# Altium PCB Archimajor.PcbDoc (part 2 of 12)
Units mm, origin at the board's own origin, x right, y up, seen from the top; angles counter-clockwise.
Board outline 190 x 140 mm, 6 copper layers (Top Layer, Top GND, Power Plane, Mid1, Bot GND, Bottom Layer), stack 1.776 mm thick; 842 components, 658 nets, 2620 pads, 2775 vias.
Unrouted connection lines stored in the file: 128.
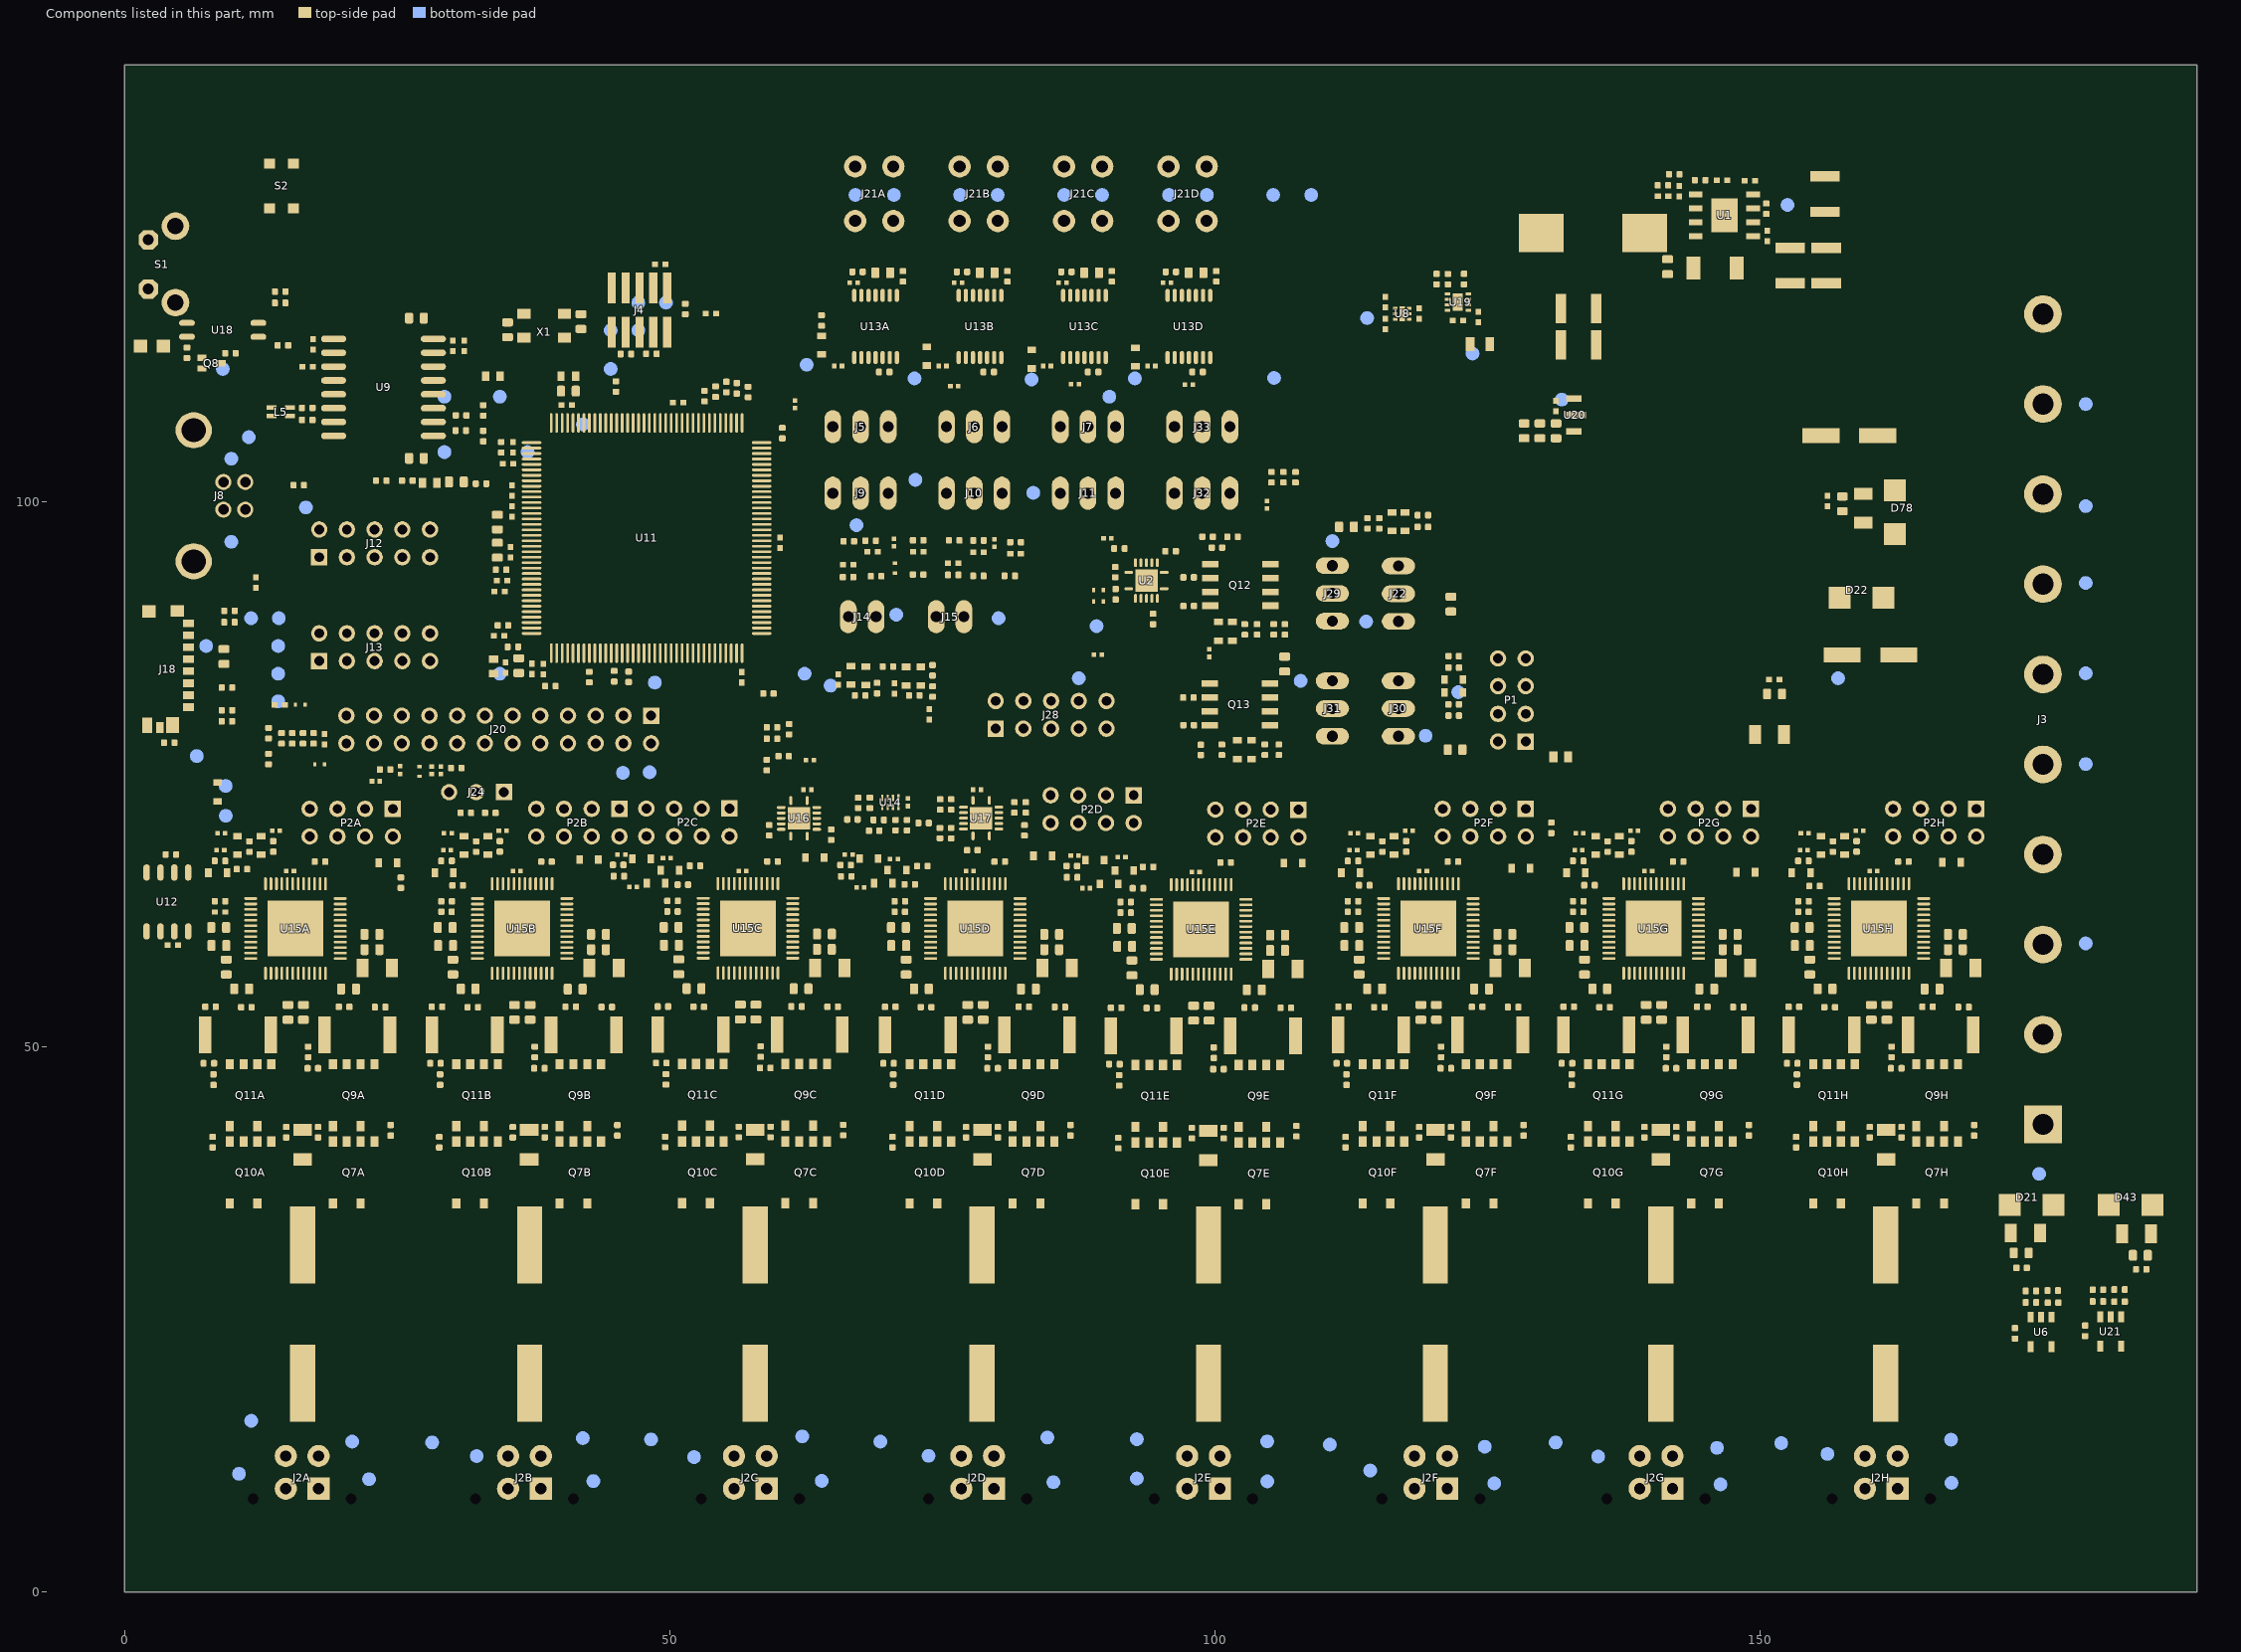
[diagram p6: the components of this part, seen from the top]

## Components (designator, comment, footprint, x,y, rotation, side; value= is the part's Value field where it differs from the comment) (continued)
R116E "47R" R0402 103.175,53.583 r180 top (schematic designator R116)
R116F "47R" R0402 124.017,53.658 r180 top (schematic designator R116)
R116G "47R" R0402 144.667,53.658 r180 top (schematic designator R116)
R116H "47R" R0402 165.318,53.658 r180 top (schematic designator R116)
R119 "10K" R0402 121.335,120.384 r270 top
R120 "100R" R0402 54.204,110.058 r90 top
R133 "100R" R0402 57.175,110.033 r270 top
R134 "100R" R0402 25.933,101.893 r0 top
R135 "100R" R0402 42.622,83.886 r90 top
R136 "100R" R0402 23.546,101.893 r180 top
R137 "100R" R0402 34.519,93.726 r0 top
R138 "100R" R0402 14.402,78.271 r90 top
R139 "100R" R0402 17.348,78.271 r270 top
R140 "100R" R0402 34.697,88.634 r180 top
R141 "100R" R0402 16.366,78.271 r270 top
R142 "100R" R0402 44.902,83.966 r270 top
R143 "100R" R0402 15.384,78.271 r270 top
R144 "100R" R0402 60.318,106.259 r90 top
R145 "100R" R0402 13.212,78.751 r270 top
R148 "0.01R" R0805 124.27,114.416 r180 top
R149 "100R" R0402 13.212,76.376 r270 top
R150 "6.8K" R0402 9.717,113.58 r0 top
R151 "6.8K" R0402 5.732,113.622 r270 top
R152 "4.9k" R0402 14.532,114.304 r180 top
R153 "100R" R0402 23.897,75.411 r180 top
R154 "24K" R0402 180.937,27.707 r0 top
R155 "10K" R0402 180.937,26.64 r180 top
R156 "1M" R0402 179.768,23.947 r90 top
R157 "130k" R0402 182.918,27.732 r180 top
R158 "100K" R0402 182.918,26.614 r0 top
R159 "100R" R0402 46.222,83.911 r90 top
R160 "100R" R0402 30.422,75.55 r180 top
R161 "100R" R0402 39.047,83.061 r0 top
R162A "0.05R" R2512 21.336,51.075 r180 top (schematic designator R162)
R162B "0.05R" R2512 42.111,51.075 r180 top (schematic designator R162)
R162C "0.05R" R2512 62.819,51.1 r180 top (schematic designator R162)
R162D "0.05R" R2512 83.661,51.075 r180 top (schematic designator R162)
R162E "0.05R" R2512 104.369,51 r180 top (schematic designator R162)
R162F "0.05R" R2512 125.211,51.075 r180 top (schematic designator R162)
R162G "0.05R" R2512 145.861,51.075 r180 top (schematic designator R162)
R162H "0.05R" R2512 166.511,51.075 r180 top (schematic designator R162)
R163A "47R" R0402 23.442,53.633 r0 top (schematic designator R163)
R163B "47R" R0402 44.217,53.633 r0 top (schematic designator R163)
R163C "47R" R0402 64.924,53.657 r0 top (schematic designator R163)
R163D "47R" R0402 85.767,53.633 r0 top (schematic designator R163)
R163E "47R" R0402 106.474,53.557 r0 top (schematic designator R163)
R163F "47R" R0402 127.317,53.633 r0 top (schematic designator R163)
R163G "47R" R0402 147.967,53.633 r0 top (schematic designator R163)
R163H "47R" R0402 168.617,53.633 r0 top (schematic designator R163)
R164A "10R" R0402 14.834,42.152 r270 top (schematic designator R164)
R164B "10R" R0402 35.609,42.152 r270 top (schematic designator R164)
R164C "10R" R0402 56.316,42.176 r270 top (schematic designator R164)
R164D "10R" R0402 77.159,42.152 r270 top (schematic designator R164)
R164E "10R" R0402 97.866,42.076 r270 top (schematic designator R164)
R164F "10R" R0402 118.709,42.152 r270 top (schematic designator R164)
R164G "10R" R0402 139.359,42.152 r270 top (schematic designator R164)
R164H "10R" R0402 160.009,42.152 r270 top (schematic designator R164)
R165A "10R" R0402 8.085,41.238 r90 top (schematic designator R165)
R165B "10R" R0402 28.86,41.238 r90 top (schematic designator R165)
R165C "10R" R0402 49.568,41.262 r90 top (schematic designator R165)
R165D "10R" R0402 70.41,41.238 r90 top (schematic designator R165)
R165E "10R" R0402 91.118,41.162 r90 top (schematic designator R165)
R165F "10R" R0402 111.96,41.238 r90 top (schematic designator R165)
R165G "10R" R0402 132.611,41.238 r90 top (schematic designator R165)
R165H "10R" R0402 153.261,41.238 r90 top (schematic designator R165)
R166A "10R" R0402 8.162,46.975 r90 top (schematic designator R166)
R166B "10R" R0402 28.937,46.975 r90 top (schematic designator R166)
R166C "10R" R0402 49.645,47 r90 top (schematic designator R166)
R166D "10R" R0402 70.487,46.975 r90 top (schematic designator R166)
R166E "10R" R0402 91.195,46.9 r90 top (schematic designator R166)
R166F "10R" R0402 112.037,46.975 r90 top (schematic designator R166)
R166G "10R" R0402 132.688,46.975 r90 top (schematic designator R166)
R166H "10R" R0402 153.338,46.975 r90 top (schematic designator R166)
R167A "10R" R0402 7.737,48.475 r180 top (schematic designator R167)
R167B "10R" R0402 28.512,48.475 r180 top (schematic designator R167)
R167C "10R" R0402 49.22,48.5 r180 top (schematic designator R167)
R167D "10R" R0402 70.062,48.475 r180 top (schematic designator R167)
R167E "10R" R0402 90.77,48.4 r180 top (schematic designator R167)
R167F "10R" R0402 111.612,48.475 r180 top (schematic designator R167)
R167G "10R" R0402 132.263,48.475 r180 top (schematic designator R167)
R167H "10R" R0402 152.913,48.475 r180 top (schematic designator R167)
R168A "47R" R0402 11.167,53.625 r0 top (schematic designator R168)
R168B "47R" R0402 31.942,53.625 r0 top (schematic designator R168)
R168C "47R" R0402 52.65,53.65 r0 top (schematic designator R168)
R168D "47R" R0402 73.492,53.625 r0 top (schematic designator R168)
R168E "47R" R0402 94.2,53.55 r0 top (schematic designator R168)
R168F "47R" R0402 115.042,53.625 r0 top (schematic designator R168)
R168G "47R" R0402 135.693,53.625 r0 top (schematic designator R168)
R168H "47R" R0402 156.343,53.625 r0 top (schematic designator R168)
R169A "0.05R" R2512 10.412,51.075 r0 top (schematic designator R169)
R169B "0.05R" R2512 31.187,51.075 r0 top (schematic designator R169)
R169C "0.05R" R2512 51.895,51.1 r0 top (schematic designator R169)
R169D "0.05R" R2512 72.737,51.075 r0 top (schematic designator R169)
R169E "0.05R" R2512 93.445,51 r0 top (schematic designator R169)
R169F "0.05R" R2512 114.287,51.075 r0 top (schematic designator R169)
R169G "0.05R" R2512 134.938,51.075 r0 top (schematic designator R169)
R169H "0.05R" R2512 155.588,51.075 r0 top (schematic designator R169)
R170A "47R" R0402 7.887,53.65 r180 top (schematic designator R170)
R170B "47R" R0402 28.662,53.65 r180 top (schematic designator R170)
R170C "47R" R0402 49.37,53.675 r180 top (schematic designator R170)
R170D "47R" R0402 70.212,53.65 r180 top (schematic designator R170)
R170E "47R" R0402 90.92,53.575 r180 top (schematic designator R170)
R170F "47R" R0402 111.762,53.65 r180 top (schematic designator R170)
R170G "47R" R0402 132.413,53.65 r180 top (schematic designator R170)
R170H "47R" R0402 153.063,53.65 r180 top (schematic designator R170)
R171 "10K" R0402 94.303,89.209 r270 top
R172 "1.8K" R0402 106.393,88.259 r270 top
R173 "1.8K" R0402 119.043,98.734 r180 top
R174 "1K" R0402 102.718,88.256 r270 top
R175 "1K" R0402 105.368,88.259 r90 top
R176 "1K" R0402 115.043,97.984 r270 top
R177 "1K" R0402 119.043,97.659 r0 top
R180 "100R" R0402 97.543,82.009 r0 top
R181 "100R" R0402 97.568,79.48 r0 top
R182 "10K" R0402 95.918,95.434 r0 top
R183 "10K" R0402 91.223,95.68 r180 top
R184 "1.8K" R0402 105.831,77.223 r270 top
R185 "1.8K" R0402 121.872,81.384 r180 top
R186 "1K" R0402 100.62,77.223 r270 top
R187 "1K" R0402 104.553,77.222 r90 top
R188 "1K" R0402 121.871,84.759 r0 top
R189 "1K" R0402 121.872,80.359 r180 top
R190 "49K" R0402 101.589,96.756 r0 top
R191 "4.9k" R0402 99.306,96.756 r180 top
R192 "49K" R0402 106.268,102.209 r270 top
R193 "4.9k" R0402 105.168,102.209 r90 top
R197 "1k" R0402 33.55,71.44 r180 top
R198 "1k" R0402 31.3,71.435 r0 top
RV1 "AVRM0603C6R8NT101N" "C0201 Large Pads" 23.05,74.335 r180 top value=6.8V
RV2 "AVRM0603C6R8NT101N" "C0201 Large Pads" 25.272,75.361 r270 top value=6.8V
RV3 "AVRM0603C6R8NT101N" "C0201 Large Pads" 28.172,75.336 r270 top value=6.8V
RV4 "AVRM0603C6R8NT101N" "C0201 Large Pads" 28.997,75.336 r270 top value=6.8V
RV5A "AVRM0603C6R8NT101N" "C0201 Large Pads" 8.875,69.56 r180 top value=6.8V (schematic designator RV5)
RV5B "AVRM0603C6R8NT101N" "C0201 Large Pads" 29.65,69.56 r180 top value=6.8V (schematic designator RV5)
RV5C "AVRM0603C6R8NT101N" "C0201 Large Pads" 49.723,67.276 r0 top value=6.8V (schematic designator RV5)
RV5D "AVRM0603C6R8NT101N" "C0201 Large Pads" 70.55,67.185 r0 top value=6.8V (schematic designator RV5)
RV5E "AVRM0603C6R8NT101N" "C0201 Large Pads" 91.423,67.376 r0 top value=6.8V (schematic designator RV5)
RV5F "AVRM0603C6R8NT101N" "C0201 Large Pads" 112.75,69.56 r180 top value=6.8V (schematic designator RV5)
RV5G "AVRM0603C6R8NT101N" "C0201 Large Pads" 133.4,69.56 r180 top value=6.8V (schematic designator RV5)
RV5H "AVRM0603C6R8NT101N" "C0201 Large Pads" 154.05,69.56 r180 top value=6.8V (schematic designator RV5)
RV6A "AVRM0603C6R8NT101N" "C0201 Large Pads" 13.9,69.785 r0 top value=6.8V (schematic designator RV6)
RV6B "AVRM0603C6R8NT101N" "C0201 Large Pads" 34.675,69.785 r0 top value=6.8V (schematic designator RV6)
RV6C "AVRM0603C6R8NT101N" "C0201 Large Pads" 45.563,67.619 r180 top value=6.8V (schematic designator RV6)
RV6D "AVRM0603C6R8NT101N" "C0201 Large Pads" 66.405,67.595 r180 top value=6.8V (schematic designator RV6)
RV6E "AVRM0603C6R8NT101N" "C0201 Large Pads" 87.113,67.519 r180 top value=6.8V (schematic designator RV6)
RV6F "AVRM0603C6R8NT101N" "C0201 Large Pads" 117.775,69.785 r0 top value=6.8V (schematic designator RV6)
RV6G "AVRM0603C6R8NT101N" "C0201 Large Pads" 138.425,69.785 r0 top value=6.8V (schematic designator RV6)
RV6H "AVRM0603C6R8NT101N" "C0201 Large Pads" 159.075,69.785 r0 top value=6.8V (schematic designator RV6)
RV7A "AVRM0603C6R8NT101N" "C0201 Large Pads" 8.8,68.01 r0 top value=6.8V (schematic designator RV7)
RV7B "AVRM0603C6R8NT101N" "C0201 Large Pads" 29.575,68.01 r0 top value=6.8V (schematic designator RV7)
RV7C "AVRM0603C6R8NT101N" "C0201 Large Pads" 46.633,64.634 r180 top value=6.8V (schematic designator RV7)
RV7D "AVRM0603C6R8NT101N" "C0201 Large Pads" 67.475,64.61 r180 top value=6.8V (schematic designator RV7)
RV7E "AVRM0603C6R8NT101N" "C0201 Large Pads" 88.183,64.534 r180 top value=6.8V (schematic designator RV7)
RV7F "AVRM0603C6R8NT101N" "C0201 Large Pads" 112.675,68.01 r0 top value=6.8V (schematic designator RV7)
RV7G "AVRM0603C6R8NT101N" "C0201 Large Pads" 133.325,68.01 r0 top value=6.8V (schematic designator RV7)
RV7H "AVRM0603C6R8NT101N" "C0201 Large Pads" 153.975,68.01 r0 top value=6.8V (schematic designator RV7)
S1 "1571610-2" B3F-31XX 3.429,121.73 r270 top value=-NA-
S2 "KMR741NG ULC LFS" "KMR 6 Series" 14.4,128.925 r90 top value=-NA-
TP1 "TestPoint" TP1-27#1 122.293,82.509 r180 bottom
TP2 "TestPoint" TP1-27#1 113.843,88.984 r180 bottom
TP3A "TP4" TP-2 20.882,13.789 r270 bottom (schematic designator TP3)
TP3B "TP4" TP-2 42.021,14.106 r270 bottom (schematic designator TP3)
TP3C "TP4" TP-2 62.15,14.265 r270 bottom (schematic designator TP3)
TP3D "TP4" TP-2 84.617,14.166 r270 bottom (schematic designator TP3)
TP3E "TP4" TP-2 104.766,13.809 r270 bottom (schematic designator TP3)
TP3F "TP4" TP-2 124.717,13.314 r270 bottom (schematic designator TP3)
TP3G "TP4" TP-2 146.014,13.215 r270 bottom (schematic designator TP3)
TP3H "TP4" TP-2 167.471,13.967 r270 bottom (schematic designator TP3)
TP4 "TestPoint" TP1-27#2 87.497,83.784 r90 bottom
TP5 "TP4" TP-2 9.804,103.912 r180 bottom
TP6 "TP4" TP-2 11.405,105.881 r180 bottom
TP7 "TestPoint" TP1-27#2 131.783,109.331 r90 bottom
TP8 "TestPoint" TP1-27#1 110.75,96.359 r90 bottom
TP9 "TP4" TP-2 62.357,84.201 r90 bottom
TP11A "TP4" TP-2 62.546,112.526 r90 bottom (schematic designator TP11)
TP11B "TP4" TP-2 72.433,111.278 r90 bottom (schematic designator TP11)
TP11C "TP4" TP-2 83.171,111.179 r90 bottom (schematic designator TP11)
TP11D "TP4" TP-2 92.641,111.278 r90 bottom (schematic designator TP11)
TP11E "TP4" TP-2 105.4,111.317 r90 bottom (schematic designator TP11)
TP12A "TP4" TP-2 22.427,10.342 r90 bottom (schematic designator TP12)
TP12B "TP4" TP-2 42.992,10.164 r90 bottom (schematic designator TP12)
TP12C "TP4" TP-2 63.933,10.183 r90 bottom (schematic designator TP12)
TP12D "TP4" TP-2 85.172,10.064 r90 bottom (schematic designator TP12)
TP12E "TP4" TP-2 104.786,10.144 r90 bottom (schematic designator TP12)
TP12F "TP4" TP-2 125.588,9.965 r90 bottom (schematic designator TP12)
TP12G "TP4" TP-2 146.331,9.866 r90 bottom (schematic designator TP12)
TP12H "TP4" TP-2 167.51,10.005 r90 bottom (schematic designator TP12)
TP13 "TP4" TP-2 6.629,76.645 r270 bottom
TP14 "TP4" TP-2 7.493,86.741 r270 bottom
TP15 "TP4" TP-2 14.097,86.741 r270 bottom
TP16 "TP4" TP-2 14.097,81.661 r270 bottom
TP17 "TestPoint" TP1-27#1 119.293,78.509 r180 bottom
TP18 "TestPoint" TP1-27#1 107.843,83.534 r180 bottom
TP20 "TP4" TP-2 11.61,89.281 r270 bottom
TP21 "TP4" TP-2 14.15,89.281 r270 bottom
TP22 "TP4" TP-2 14.097,84.201 r270 bottom
TP23A "TP4" TP-2 70.551,128.098 r90 bottom (schematic designator TP23)
TP23B "TP4" TP-2 80.06,128.098 r90 bottom (schematic designator TP23)
TP23C "TP4" TP-2 89.629,128.098 r90 bottom (schematic designator TP23)
TP23D "TP4" TP-2 99.238,128.098 r90 bottom (schematic designator TP23)
TP23E "TP4" TP-2 108.807,128.098 r90 bottom (schematic designator TP23)
TP24A "TP4" TP-2 67.024,128.098 r90 bottom (schematic designator TP24)
TP24B "TP4" TP-2 76.613,128.098 r90 bottom (schematic designator TP24)
TP24C "TP4" TP-2 86.162,128.098 r90 bottom (schematic designator TP24)
TP24D "TP4" TP-2 95.771,128.098 r90 bottom (schematic designator TP24)
TP24E "TP4" TP-2 105.321,128.098 r90 bottom (schematic designator TP24)
TP25 "TP4" TP-2 72.517,101.981 r90 bottom
TP26 "TP4" TP-2 44.577,112.141 r270 bottom
TP27 "TP4" TP-2 34.417,84.201 r270 bottom
TP29 "TP4" TP-2 29.337,104.521 r270 bottom
TP30 "TP4" TP-2 9.017,112.141 r270 bottom
TP31 "TP4" TP-2 16.637,99.441 r270 bottom
TP32 "TP4" TP-2 36.957,104.521 r270 bottom
TP33 "TP4" TP-2 175.55,38.335 r90 bottom
TP34A "TP4" TP-2 10.5,10.837 r270 bottom (schematic designator TP34)
TP34B "TP4" TP-2 28.212,13.71 r270 bottom (schematic designator TP34)
TP34C "TP4" TP-2 48.282,13.987 r270 bottom (schematic designator TP34)
TP34D "TP4" TP-2 69.306,13.789 r270 bottom (schematic designator TP34)
TP34E "TP4" TP-2 92.819,10.401 r270 bottom (schematic designator TP34)
TP34F "TP4" TP-2 110.511,13.512 r270 bottom (schematic designator TP34)
TP34G "TP4" TP-2 131.215,13.71 r270 bottom (schematic designator TP34)
TP34H "TP4" TP-2 151.899,13.65 r270 bottom (schematic designator TP34)
TP36 "TP4" TP-2 123.595,113.551 r0 bottom
TP41A "TP4" TP-2 11.63,15.691 r270 bottom (schematic designator TP41)
TP41B "TP4" TP-2 32.294,12.462 r270 bottom (schematic designator TP41)
TP41C "TP4" TP-2 52.224,12.363 r270 bottom (schematic designator TP41)
TP41D "TP4" TP-2 73.72,12.482 r270 bottom (schematic designator TP41)
TP41E "TP4" TP-2 92.819,14.007 r270 bottom (schematic designator TP41)
TP41F "TP4" TP-2 114.216,11.134 r270 bottom (schematic designator TP41)
TP41G "TP4" TP-2 135.118,12.422 r270 bottom (schematic designator TP41)
TP41H "TP4" TP-2 156.138,12.66 r270 bottom (schematic designator TP41)
TP43 "TP4" TP-2 179.814,108.92 r90 bottom
TP44 "TP4" TP-2 179.814,92.516 r180 bottom
TP46 "TP4" TP-2 157.109,83.779 r90 bottom
TP47 "TP4" TP-2 113.929,116.808 r180 bottom
TP48 "TP4" TP-2 179.814,75.913 r180 bottom
TP49 "TP4" TP-2 49.657,118.221 r0 bottom
TP50 "TP4" TP-2 47.117,118.221 r0 bottom
TP51 "TP4" TP-2 179.814,84.234 r180 bottom
TP52 "TP4" TP-2 47.117,115.681 r0 bottom
TP53 "TP4" TP-2 44.577,115.681 r0 bottom
TP54 "TP4" TP-2 89.125,88.56 r0 bottom
TP55 "TP4" TP-2 179.814,99.569 r90 bottom
TP56 "TP4" TP-2 42.037,107.061 r90 bottom
TP60 "TP4" TP-2 9.804,96.292 r90 bottom
TP67 "TP4" TP-2 67.118,97.818 r90 bottom
TP69 "TestPoint" TP1-27#2 152.476,127.178 r90 bottom
TP74 "TP4" TP-2 9.292,71.172 r90 bottom
TP75 "TP4" TP-2 48.625,83.385 r0 bottom
TP76 "TP4" TP-2 45.7,75.11 r0 bottom
TP77 "TP4" TP-2 48.15,75.16 r0 bottom
TP78 "TP4" TP-2 9.274,73.908 r90 bottom
TP79 "TP4" TP-2 179.814,59.469 r90 bottom
TP101 "TP4" TP-2 64.743,83.109 r90 bottom
TP106 "TP4" TP-2 70.768,89.609 r270 bottom
TP107 "TP4" TP-2 80.137,89.281 r270 bottom
TP128 "TP4" TP-2 34.417,109.601 r90 bottom
TP129 "TP4" TP-2 29.337,109.601 r90 bottom
TP130 "TP4" TP-2 90.297,109.601 r90 bottom
TP131 "TP4" TP-2 83.325,100.785 r90 bottom
U1 "TPS54531" SOIC127P600X170_HS-9L 146.694,126.231 r180 top
U2 "SN74AHCT125RGYR" QFN50P350X350X100_RGY_S-PVQFN-N14 93.699,92.738 r0 top value="Tri-State Buffer"
U6 "AP331A" SOT23-5 175.726,23.855 r270 top
U8 "MIC5353-3.3YMT-TR" TDFN1616-6LD-PL-1 117.152,117.205 r90 top value="3.3V LDO"
U9 "ADuM3160" ADuM4160 23.749,110.453 r0 top value="USB ISO"
U11 "ATSAM3X8EA-AU" LQFP144_N 47.879,96.638 r270 top value=-NA-
U12 "AT25SF161-SSHD-T" S25FL216K0PMFI041 3.937,63.271 r270 top value=16Mb
U13A "MAX31856MUD" "TSSOP-14L 65P640X110" 68.865,116.039 r270 top (schematic designator U13)
U13B "MAX31856MUD" "TSSOP-14L 65P640X110" 78.441,116.039 r270 top (schematic designator U13)
U13C "MAX31856MUD" "TSSOP-14L 65P640X110" 88.016,116.039 r270 top (schematic designator U13)
U13D "MAX31856MUD" "TSSOP-14L 65P640X110" 97.592,116.039 r270 top (schematic designator U13)
U14 "74AVC9112" XSON50P100X50-8L 70.218,72.402 r270 top
U15A "TMC5160-TA" TQFP48-EP 15.682,60.835 r180 top (schematic designator U15)
U15B "TMC5160-TA" TQFP48-EP 36.457,60.835 r180 top (schematic designator U15)
U15C "TMC5160-TA" TQFP48-EP 57.165,60.86 r180 top (schematic designator U15)
U15D "TMC5160-TA" TQFP48-EP 78.007,60.835 r180 top (schematic designator U15)
U15E "TMC5160-TA" TQFP48-EP 98.715,60.76 r180 top (schematic designator U15)
U15F "TMC5160-TA" TQFP48-EP 119.557,60.835 r180 top (schematic designator U15)
U15G "TMC5160-TA" TQFP48-EP 140.208,60.835 r180 top (schematic designator U15)
U15H "TMC5160-TA" TQFP48-EP 160.858,60.835 r180 top (schematic designator U15)
U16 "SN74LVC125A" PVQFN14_3.5X3.5 61.843,70.934 r270 top
U17 "SN74LVC125A" PVQFN14_3.5X3.5 78.55,70.96 r270 top
U18 "TLP293" SO-4 9.004,115.726 r180 top value=-NA-
U19 "INA381A2IDSGR" WSON8_2X2MM 122.249,118.275 r180 top value=INA381A2
U20 "78L05" SOT-89-3 134.692,107.906 r0 top value="5V LDO"
U21 "AP331A" SOT23-5 182.105,23.871 r270 top
X1 "12MHz" CRYS320500 38.48,116.103 r0 top
